# Altium PCB 400236.PcbDoc (part 3 of 4) (continued)
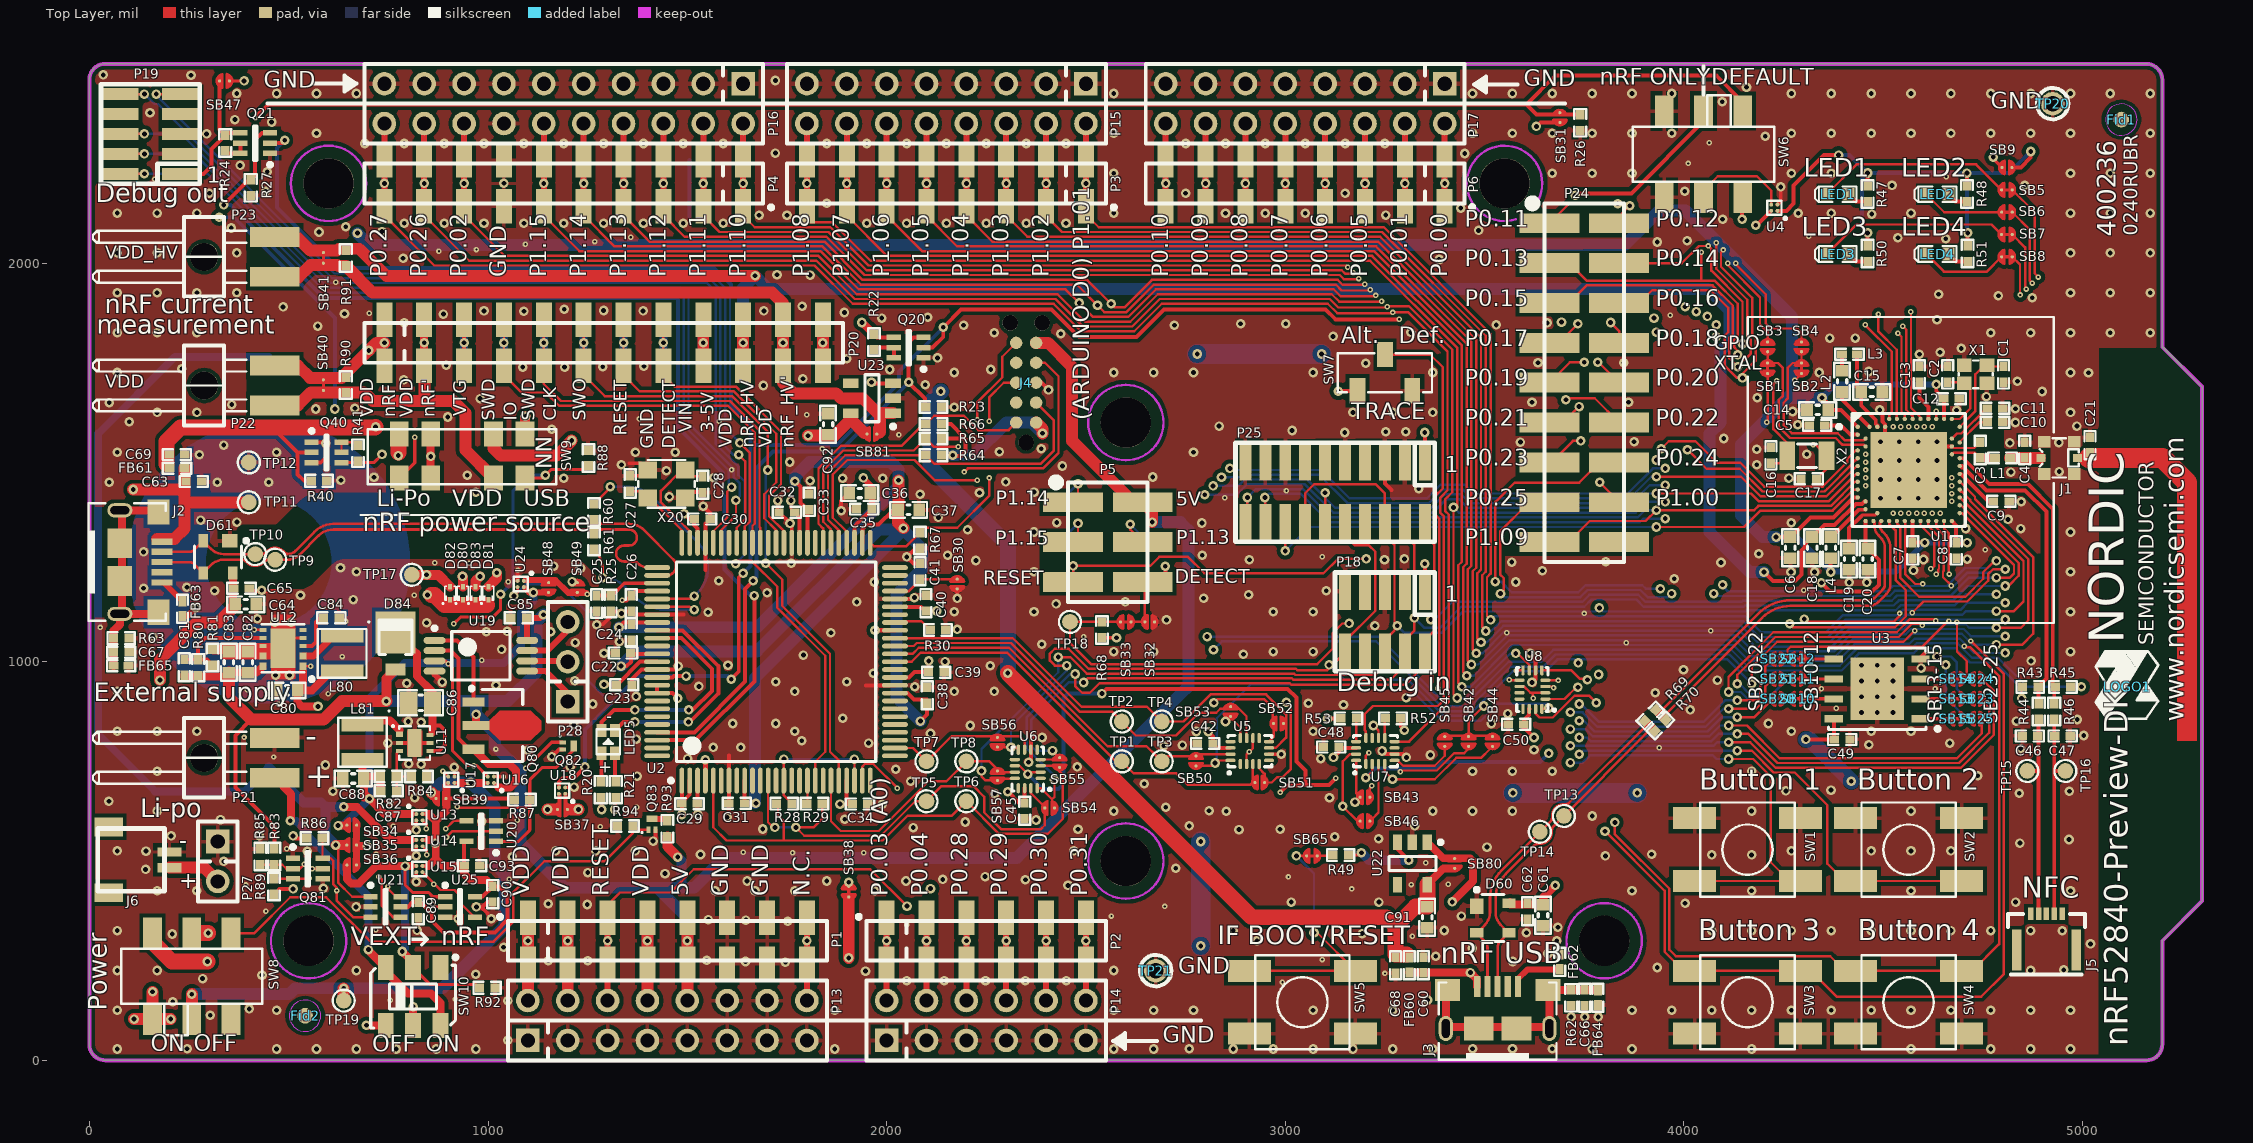
[diagram p0: Top Layer view]
## Nets (pads, with @x,y where several pads share a name; then routed paths per layer and width w, separated by ;. In a path a pad name is that pad's centre, name@x,y a point inside that pad or via, vN(x,y) a via of type N, cw(c..) or ccw(c..) an arc to the next point about the centre after c; other vN are vias at no path point) (continued)
  Mid-Layer 1 w6: v2(4671,1191) 4720,1142 v2(4720,1052)
  Mid-Layer 2 w6: v1(3802,575) 3802,689.06 3830.33,717.39 3830.33,849.75 3887,906.42 3887,1051.57 3917,1081.57 3917,1159 v1(3941,1183)
  Bottom Layer w6: v1(3527,1201) 3541,1201 3568,1174 3735.09,1174 3753.09,1192 3895.61,1192 3904.61,1183 v1(3941,1183)
P0.25: P24.15 SW4.2 U1.AC21 | length 3804
  Top Layer w6: v1(3540,1171) 3548,1179 3548,1209.7 3539,1218.7 3539,1327 3612,1400 P24.15@3662.5,1400 ; v1(3827,597) 3827,566.97 3963.57,430.4 3963.57,277.4 3979.94,261.03 4366.97,261.03 4403.53,224.47 SW4.2@4430.7,224.47 SW4.2@4696.45,224.47 4723.47,224.47 4790.75,291.75 4790.75,964.28 4718.92,1036.11 4705.89,1036.11 v2(4703,1039)
  Mid-Layer 1 w6: v2(4642.74,1372.73) 4642.74,1276 4649.11,1269.63 4649.11,1189.89 4703,1136 v2(4703,1039)
  Mid-Layer 2 w6: v1(3827,597) 3827,697.09 3842.33,712.42 3842.33,844.78 3899,901.45 3899,1046.6 3929,1076.6 3929,1131 v1(3969,1171)
  Bottom Layer w6: v1(3540,1171) 3549,1162 3740.06,1162 3758.06,1180 3890.64,1180 3908.64,1162 3960,1162 v1(3969,1171)
P0.26: P4.9 P10.9 P16.18 U1.G1 U7.8 | length 5848.6
  Top Layer w5.91: 4343,1439 4347.87,1439 4347.92,1439.05 4409.68,1500.81 4409.68,1504.48
  Top Layer w6: P4.9@840,2142.32 840,2119 953,2006 1823.97,2006 1919.97,1910 2423.94,1910 2492.94,1841 2616.23,1841 2685.23,1910 3111.71,1910 3133.04,1888.66 3253.9,1888.66 v2(3255.62,1890.38) 3257.34,1892.1 3309.9,1892.1 3419,1783 3419,1425 3401,1407 3401,1378.3 3410,1369.3 3410,899.03 3310.59,799.62 U7.8@3274.23,799.62 ; v1(3943,1534) 3962,1553 4029,1553 4083,1499 4142,1499 4202,1439 4343,1439 ; 4409.68,1504.48 4409.68,1508.68 4431.21,1530.21 U1.G1@4436.05,1530.21
  Top Layer w15: P4.9@840,2142.32 v1(840,2200) P4.9@840,2257.68 P16.18@840,2350
  Mid-Layer 1 w6: v2(3255.62,1890.38) 3265.24,1900 3887,1900 v1(3925,1862)
  Mid-Layer 2 w6: v1(3925,1862) 3932.75,1862 3964,1830.75 3964,1766.84 3982,1748.84 3982,1596.55 3952,1566.55 3952,1543 v1(3943,1534)
  Bottom Layer w15: P10.9@840,2142.32 v1(840,2200) P10.9@840,2257.68
P0.27: P4.10 P10.10 P16.20 U1.H2 U7.12 | length 6015.6
  Top Layer w6: P4.10@740,2142.32 740,2119 865,1994 1819,1994 1915,1898 2418.97,1898 2487.97,1829 2621.2,1829 2690.2,1898 3106.74,1898 3130.24,1874.49 3268.07,1874.49 v2(3269.79,1876.21) 3308.82,1876.21 3407,1778.03 3407,1429.97 3389,1411.97 3389,1373.33 3398,1364.33 3398,904 3383,889 3220,889 3199.5,868.5 3199.5,828.5 3202.38,825.62 U7.12@3202.38,808.48
  Top Layer w15: P4.10@740,2142.32 v1(740,2200) P4.10@740,2257.68 P16.20@740,2350
  Mid-Layer 1 w6: v2(3269.79,1876.21) 3281.57,1888 3869,1888 3930,1827 v1(3931,1827) ; v1(3931,1506) 3972,1506 3982,1496 4145.28,1496 4202.28,1439 4347.87,1439 4429.24,1520.37 v2@4454.34,1520.37
  Mid-Layer 2 w6: v1(3931,1506) 3931,1516.3 3922,1525.3 3922,1554 3970,1602 3970,1743.87 3952,1761.87 3952,1816 3941,1827 v1(3931,1827)
  Bottom Layer w15: P10.10@740,2142.32 v1(740,2200) P10.10@740,2257.68
  other v2: 4455.73,1520.37
P0.28/AIN4: P2.3 P8.3 P14.6 U1.B11 | length 4126.1
  Top Layer w15: P14.6@2200,150 P2.3@2200,242.32 v1(2200,300) P2.3@2200,357.68
  Mid-Layer 1 w6: v1@4033,1876.3 4044.61,1887.91 4497.17,1887.91 4505,1880.08 4505,1834.56 4509,1830.56 4509,1732 4524.13,1716.87 4524.13,1636.98 4544.31,1616.8 v2(4544.31,1589.27)
  Mid-Layer 2 w6: v1(2200,300) 2245,345 2518.64,345 2531.05,332.59 2723,332.59 2845.4,455 3497,455 3782.33,740.33 3782.33,869.63 3839,926.3 3839,1071.45 3869,1101.45 3869,1192.09 4030,1353.09 4030,1877.3 v1(4031,1878.3)
  Bottom Layer w15: P8.3@2200,242.32 v1(2200,300) P8.3@2200,357.68
P0.29/AIN5: P2.4 P8.4 P14.8 U1.A10 | length 3985.9
  Top Layer w6: v2(4488,1872) 4488,1828.53 4533.82,1782.71 4533.82,1609.61 U1.A10@4534.47,1608.95 ; v2@4491,1872 v2@4491,1873
  Top Layer w15: P14.8@2300,150 P2.4@2300,242.32 v1(2300,300) P2.4@2300,357.68
  Mid-Layer 1 w6: v1(4059,1866.3) 4065.7,1873 v2@4488,1873
  Mid-Layer 2 w6: v1(2300,300) 2333,333 2513.67,333 2526.08,320.59 2727.97,320.59 2850.37,443 3501.97,443 3794.33,735.36 3794.33,864.66 3851,921.33 3851,1066.48 3881,1096.48 3881,1187.12 4042,1348.12 4042,1849.3 v1(4059,1866.3)
  Bottom Layer w15: P8.4@2300,242.32 v1(2300,300) P8.4@2300,380
P0.30/AIN6: P2.5 P8.5 P14.10 U1.B9 | length 3858.4
  Top Layer w15: P14.10@2400,150 P2.5@2400,242.32 v1(2400,300) P2.5@2400,357.68
  Mid-Layer 1 w6: v1(4081,1845.3) 4096.7,1861 4461.59,1861 4497,1825.59 4497,1727.03 4512.13,1711.9 4512.13,1629.87 4524.63,1617.37 v2(4524.63,1589.27) v2@4526.6,1591.24
  Mid-Layer 2 w6: v1(2400,300) 2421,321 2508.7,321 2521.11,308.59 2732.94,308.59 2855.34,431 3510,431 3806.33,727.33 3806.33,859.69 3863,916.36 3863,1061.51 3893,1091.51 3893,1182.15 4054,1343.15 4054,1818.3 v1(4081,1845.3)
  Bottom Layer w15: P8.5@2400,242.32 v1(2400,300) P8.5@2400,380
P0.31/AIN7: P2.6 P8.6 P14.12 U1.A8 | length 3678.3
  Top Layer w6: v2@4457,1845 4457,1842.56 4521.82,1777.74 4521.82,1624.25 4514.79,1617.22 U1.A8@4514.79,1608.95
  Top Layer w15: P14.12@2500,150 P2.6@2500,242.32 v1(2500,300) P2.6@2500,357.68
  Mid-Layer 1 w6: v1(4081,1815.3) 4114.7,1849 4453,1849 v2@4457,1845
  Mid-Layer 2 w6: v1(2500,300) 2503.41,296.59 2737.91,296.59 2860.31,419 3514.97,419 3818.33,722.36 3818.33,854.72 3875,911.39 3875,1056.54 3905,1086.54 3905,1177.18 4066,1338.18 4066,1800.3 v1(4081,1815.3)
  Bottom Layer w15: P8.6@2500,242.32 v1(2500,300) P8.6@2500,357.68
  other v2: 4455,1845
P1.00: P18.6 P24.16 P25.6 P25.14 SB57.1 U1.AD22 U6.12 | length 4302.5
  Top Layer w6: v1(2238,726) 2238,712 2247.65,702.35 2263.62,702.35 2280.65,702.35 SB57.1@2278,699.7 ; 2294.38,706.17 2321.52,706.17 U6.12@2321.52,707.38 ; v1(2430.42,1011.58) 2460.53,1011.58 2502.03,970.08 3021.66,970.08 3025.06,966.68 3225.68,966.68 P18.6@3250,991 ; P25.14@3050,1348.23 3050,1423 3072.53,1445.53 3226.47,1445.53 3250,1422 P25.6@3250,1348.23 3250,1317 3273.96,1293.04 3273.96,1078 3250,1054.04 P18.6@3250,1023.23 P18.6@3250,991 ; P18.6@3238,991 P18.6@3250,991 ; v1(3789,1450) P24.16@3837.5,1401.5 ; U1.AD22@4652.58,1353.05 4652.58,1334.33 4664,1322.91 4664,1221 v2@4665,1220
  Mid-Layer 1 w6: v2(4666,1220) 4755,1220 4763,1212 4763,1190 v1(4784,1169)
  Mid-Layer 2 w6: v1(3788,1135) 3779,1144 3779,1440 v1(3789,1450)
  Bottom Layer w6: v1(2238,726) 2238,780.97 2430.64,973.61 2430.64,1011.36 v1(2430.42,1011.58) ; v1(3280.98,1089.98) 3297.96,1073 3393,1073 3446,1126 3778,1126 v1@3788,1136 ; v1(3788,1135) 3797,1126 4144.03,1126 4155,1126 4158,1129 4531.26,1129 4544.26,1142 4680,1142 4707,1169 v1(4784,1169)
P1.01: P3.1 P9.1 P15.2 U1.Y23 | length 3946.4
  Top Layer w6: P3.1@2500,2142.32 2500,2122 2532,2090 3247.76,2090 3515,1822.76 3515,1221 3506,1212 3506,1114 v1(3515,1105)
  Top Layer w15: P3.1@2500,2142.32 v1(2500,2200) P3.1@2500,2257.68 P15.2@2500,2350
  Mid-Layer 1 w6: v2(4672.27,1402.26) 4681.74,1402.26 4856,1228 4856,1170 4834,1148 v1(4806,1148)
  Bottom Layer w6: v1(3515,1105) 3524,1114 4136.76,1114 4153.73,1114 4193.73,1074 4356.24,1074 4399.24,1117 4536.24,1117 4549.24,1130 4693.82,1130 4711.82,1148 v1(4806,1148)
  Bottom Layer w15: P9.1@2500,2118.4 v1(2500,2200) P9.1@2500,2257.68
P1.02: P3.2 P9.2 P15.4 U1.W24 | length 4063.5
  Top Layer w6: P3.2@2400,2142.32 2400,2118 2440,2078 3242.79,2078 3503,1817.79 3503,1225.97 3494,1216.97 3494,1086 v1(3503,1077) ; U1.W24@4691.95,1412.1 4692.65,1412.1 4706.37,1398.39 4706.37,1398.21 4851.99,1252.58 4851.99,1150.99 4828,1127 v1(4784,1127)
  Top Layer w15: P3.2@2400,2142.32 v1(2400,2200) P3.2@2400,2257.68 P15.4@2400,2350
  Bottom Layer w6: v1(3503,1077) 3516.7,1077 3541.7,1102 4148.76,1102 4188.76,1062 4361.21,1062 4404.21,1105 4541.21,1105 4554.21,1118 4698.79,1118 4707.79,1127 v1(4784,1127)
  Bottom Layer w15: P9.2@2400,2142.32 v1(2400,2200) P9.2@2400,2257.68
P1.03: P3.3 P9.3 P15.6 U1.V23 | length 4259.1
  Top Layer w6: P3.3@2300,2142.32 2300,2119 2353,2066 3237.82,2066 3491,1812.82 3491,1230.94 3482,1221.94 3482,1058 v1(3491,1049)
  Top Layer w15: P3.3@2300,2142.32 v1(2300,2200) P3.3@2300,2257.68 P15.6@2300,2350
  Mid-Layer 1 w6: v2(4672.27,1421.94) 4679.03,1421.94 4868,1232.97 4868,1125 4849,1106 v1(4806,1106)
  Bottom Layer w6: v1(3491,1049) 3506,1049 3547,1090 4143.79,1090 4183.79,1050 4366.18,1050 4409.18,1093 4546.18,1093 4559.18,1106 v1(4806,1106)
  Bottom Layer w15: P9.3@2300,2142.32 v1(2300,2200) P9.3@2300,2257.68
P1.04: P3.4 P9.4 P15.8 U1.U24 | length 4409.4
  Top Layer w6: P3.4@2200,2142.32 2200,2119 2265,2054 3232.85,2054 3462.85,1824 3479,1807.85 3479,1235.91 3470,1226.91 3470,1030 v1(3479,1021) ; U1.U24@4691.95,1431.79 4691.95,1429.41 4694.85,1426.52 4697.92,1426.52 4718.37,1406.07 4718.37,1403.18 4863.99,1257.55 4863.99,1103.99 4845,1085 v1(4784,1085)
  Top Layer w15: P3.4@2200,2142.32 v1(2200,2200) P3.4@2200,2257.68 P15.8@2200,2350
  Bottom Layer w6: v1(3479,1021) 3495,1021 3552,1078 4138.82,1078 4178.82,1038 4371.15,1038 4414.15,1081 4551.15,1081 4558.57,1088.43 4564.15,1094 4706.85,1094 4715.85,1085 v1(4784,1085)
  Bottom Layer w15: P9.4@2200,2142.32 v1(2200,2200) P9.4@2200,2257.68
P1.05: P3.5 P9.5 P15.10 U1.T23 | length 4604.1
  Top Layer w6: P3.5@2100,2142.32 2100,2119 2177,2042 3227.88,2042 3467,1802.88 3467,1240.88 3458,1231.88 3458,1221 3458,1057 3458,1002 v1(3467,993)
  Top Layer w15: P3.5@2100,2142.32 v1(2100,2200) P3.5@2100,2257.68 P15.10@2100,2350
  Mid-Layer 1 w6: v2(4672.27,1441.63) 4676.31,1441.63 4741.97,1375.97 4742.06,1375.97 4836,1282.03 4836,1281.94 4880,1237.94 4880,1088 4856,1064 v1(4806,1064)
  Bottom Layer w6: v1(3467,993) 3483.97,993 3556.97,1066 4133.85,1066 4173.85,1026 4376.12,1026 4419.12,1069 4556.12,1069 4566,1078.88 4569.12,1082 4701.88,1082 4719.88,1064 v1(4806,1064)
  Bottom Layer w15: P9.5@2100,2142.32 v1(2100,2200) P9.5@2100,2257.68
P1.06: P3.6 P9.6 P15.12 U1.R24 | length 4752.8
  Top Layer w6: P3.6@2000,2142.32 2000,2119 2089,2030 3222.91,2030 3455,1797.91 3455,1245.85 3446,1236.85 3446,1225.97 3446,1225 3446,1056 3446,974 v1(3455,965) ; U1.R24@4691.95,1451.47 4692.65,1451.47 4730.37,1413.76 4730.37,1408.15 4875.99,1262.52 4875.99,1069.99 4849,1043 v1(4784,1043)
  Top Layer w15: P3.6@2000,2142.32 v1(2000,2200) P3.6@2000,2257.68 P15.12@2000,2350
  Bottom Layer w6: v1(3455,965) 3472.94,965 3561.94,1054 4128.88,1054 4168.88,1014 4381.09,1014 4424.09,1057 4561.09,1057 4574.09,1070 4696.91,1070 4723.91,1043 v1(4784,1043)
  Bottom Layer w15: P9.6@2000,2142.32 v1(2000,2200) P9.6@2000,2257.68
P1.07: P3.7 P9.7 P15.14 U1.P23 U8.3 | length 5202.2
  Top Layer w6: P3.7@1900,2142.32 1900,2119 2001,2018 3217.94,2018 3443,1792.94 3443,1250.82 3434,1241.82 3434,1230.94 3434,1220.03 3434,946 v1(3443,937) ; U8.3@3652.48,937.87 3669.13,937.87 v2@3673,934
  Top Layer w15: P3.7@1900,2142.32 v1(1900,2200) P3.7@1900,2257.68 P15.14@1900,2350
  Mid-Layer 1 w6: v1(3443,937) 3456,924 3663,924 v2@3673,934 ; v2(4672.27,1461.31) 4675.05,1461.31 4695.94,1440.42 4695.94,1439.06 4849.5,1285.5 4849.5,1285.41 4892,1242.91 4892,1067 4847,1022 v1(4806,1022)
  Bottom Layer w6: v1(3443,937) 3464,937 3569,1042 4123.91,1042 4163.91,1002 4386.06,1002 4429.06,1045 4566.06,1045 4579.06,1058 4691.94,1058 4727.94,1022 v1(4806,1022)
  Bottom Layer w15: P9.7@1900,2142.32 v1(1900,2200) P9.7@1900,2257.68
  other v2: 3673,935
P1.08: P3.8 P9.8 P15.16 U1.P2 U8.7 | length 4331.7
  Top Layer w6: P3.8@1800,2142.32 1800,2108 1806,2102 1863.73,2102 1959.73,2006 3212.97,2006 3431,1787.97 v1@3431,1387 ; v1(3422,1387) 3422,1235.91 3422,1215.06 3422,918 v1(3431,909) ; v1(3578.13,1020.87) 3583.21,1020.87 3612.13,991.95 U8.7@3612.13,978.23
  Top Layer w15: P3.8@1800,2142.32 v1(1800,2200) P3.8@1800,2257.68 P15.16@1800,2350
  Mid-Layer 1 w6: v1(3953,1401) 4189,1401 4191,1403 4362.79,1403 4421.1,1461.31 v2(4455.73,1461.31)
  Bottom Layer w6: v1(3422,1387) 3435,1374 3879.18,1374 3906.18,1401 v1(3953,1401) ; v1(3431,909) 3452.36,909 3464.36,921 3464.97,921 3563.84,1019.87 v1@3578.13,1019.87
  Bottom Layer w15: P9.8@1800,2142.32 v1(1800,2200) P9.8@1800,2257.68
P1.09: P24.17 P25.20 U1.R1 | length 2014
  Top Layer w5.91: 4363,1391 4368.68,1391 4429.16,1451.47 U1.R1@4436.05,1451.47
  Top Layer w6: P25.20@2900,1315 P25.20@2900,1348.23 2905,1353.23 v1(2905,1412) ; P24.17@3662.5,1300 3711,1300 3764,1353 3904,1353 v1(3931,1380) 4176,1380 4187,1391 4363,1391
  Bottom Layer w6: v1@2900,1407 v1(2905,1412) 2926,1433 3044.33,1433 3115.33,1362 3884.15,1362 3902.15,1380 v1(3931,1380)
P1.10: P4.1 P10.1 P16.2 U1.A20 | length 3757.8
  Top Layer w6: P4.1@1640,2142.32 1640,2119 1669,2090 1858.76,2090 1954.76,1994 3152,1994 v2(3156.43,1989.57) ; U1.A20@4632.9,1608.95 v2(4632.9,1628)
  Top Layer w15: P4.1@1640,2142.32 v1(1640,2200) P4.1@1640,2257.68 P16.2@1640,2350
  Mid-Layer 1 w6: v2(3156.43,1989.57) 3158.15,1991.29 3228.1,1991.29 3235.38,1984 4537.82,1984 4609.82,1912 4609.82,1820.05 4569.82,1780.05 4569.82,1756.03 4584.13,1741.72 4584.13,1661.84 4617.97,1628 v2(4632.9,1628)
  Bottom Layer w15: P10.1@1640,2142.32 v1(1640,2200) P10.1@1640,2257.68
P1.11: P4.2 P10.2 P16.4 U1.B19 | length 3856.2
  Top Layer w6: P4.2@1540,2142.32 1540,2119 1581,2078 1853.79,2078 1949.79,1982 3141.53,1982 3149.85,1973.68 3168.88,1973.68 v2(3170.6,1975.4)
  Top Layer w15: P4.2@1540,2142.32 v1(1540,2200) P4.2@1540,2257.68 P16.4@1540,2350
  Mid-Layer 1 w6: v2(3170.6,1975.4) 3172.32,1977.12 3225.3,1977.12 3230.41,1972 4532.85,1972 4597.82,1907.03 4597.82,1825.02 4557.82,1785.02 4557.82,1751.06 4572.13,1736.75 4572.13,1656.87 4623.05,1605.95 v2(4623.05,1589.27)
  Bottom Layer w15: P10.2@1540,2142.32 v1(1540,2200) P10.2@1540,2257.68
P1.12: P4.3 P10.3 P16.6 U1.B17 | length 3938.1
  Top Layer w6: P4.3@1440,2142.32 1440,2119 1493,2066 1848.82,2066 1944.82,1970 3136.56,1970 3147.05,1959.51 3183.05,1959.51 v2(3184.77,1961.23)
  Top Layer w15: P4.3@1440,2142.32 v1(1440,2200) P4.3@1440,2257.68 P16.6@1440,2350
  Mid-Layer 1 w6: v2(3184.77,1961.23) 3186.49,1962.95 3222.49,1962.95 3225.44,1960 4527.88,1960 4585.82,1902.06 4585.82,1829.99 4545.82,1789.99 4545.82,1746.09 4560.13,1731.78 4560.13,1651.9 4603.37,1608.66 v2(4603.37,1589.27)
  Bottom Layer w15: P10.3@1440,2142.32 v1(1440,2200) P10.3@1440,2257.68
P1.13: P4.4 P5.4 P10.4 P11.4 P16.8 U1.A16 | length 4792.5
  Top Layer w6: P4.4@1340,2142.32 1340,2119 1405,2054 1843.85,2054 1939.85,1958 2503,1958 v1(2563,1898) 2572,1889 2596.35,1889 2665.35,1958 3131.59,1958 3144.25,1945.34 3197.22,1945.34 v2(3198.94,1947.06) ; v1(2611,1345) 2611,1331.5 P5.4@2642.5,1300 ; v2(4569,1878) 4569.82,1877.18 4569.82,1637.18 4593.53,1613.47 U1.A16@4593.53,1608.95
  Top Layer w15: P4.4@1340,2142.32 v1(1340,2200) P4.4@1340,2257.68 P16.8@1340,2350
  Mid-Layer 1 w6: v2(3198.94,1947.06) 3200.66,1948.78 3219.69,1948.78 3220.47,1948 4522.91,1948 4570,1900.91 4570,1879 v2(4569,1878)
  Mid-Layer 2 w6: v1(2563,1898) 2562.7,1898 2492.59,1827.89 2492.59,1472.51 2611,1354.11 v1(2611,1345)
  Bottom Layer w6: v1(2611,1345) 2656,1300 P11.4@2666.22,1300
  Bottom Layer w15: P10.4@1340,2142.32 v1(1340,2200) P10.4@1340,2257.68
P1.14: P4.5 P5.1 P10.5 P11.1 P16.10 U1.B15 | length 4768.2
  Top Layer w6: P4.5@1240,2142.32 1240,2119 1317,2042 1838.88,2042 1934.88,1946 2477,1946 v1(2529,1894) 2546,1877 2601.32,1877 2670.32,1946 3126.62,1946 3141.45,1931.17 3211.39,1931.17 v2(3213.11,1932.89) ; P5.1@2467.5,1400 2480,1412.5 v1(2480,1447)
  Top Layer w15: P4.5@1240,2142.32 v1(1240,2200) P4.5@1240,2257.68 P16.10@1240,2350
  Mid-Layer 1 w6: v2(3213.11,1932.89) 3216.22,1936 4517.94,1936 4553,1900.94 4553,1871.53 4567.47,1857.06 4567.47,1828.62 4533.82,1794.96 4533.82,1741.12 4548.13,1726.81 4548.13,1646.93 4583.68,1611.37 v2(4583.68,1589.27)
  Mid-Layer 2 w6: v1(2480,1447) 2480.59,1447.59 2480.59,1845.59 v1(2529,1894)
  Bottom Layer w6: P11.1@2420.18,1400 P11.1@2443.78,1400 2443.78,1410.78 v1(2480,1447)
  Bottom Layer w15: P10.5@1240,2142.32 v1(1240,2200) P10.5@1240,2257.68
P1.15: P4.6 P5.3 P10.6 P11.3 P16.12 U1.A14 | length 4889.1
  Top Layer w6: P4.6@1140,2142.32 1140,2119 1229,2030 1833.91,2030 1929.91,1934 2449,1934 v1(2483,1900) 2518,1865 2606.29,1865 2675.29,1934 3121.65,1934 3138.65,1917 3225.56,1917 v2(3227.28,1918.72) ; P5.3@2467.5,1300 2480,1312.5 v1(2480,1347) ; v2(4549,1842) 4557.82,1833.18 4557.82,1632.18 4573.84,1616.16 U1.A14@4573.84,1608.95
  Top Layer w15: P4.6@1140,2142.32 v1(1140,2200) P4.6@1140,2257.68 P16.12@1140,2350
  Mid-Layer 1 w6: v2(3227.28,1918.72) 3232.56,1924 4512.97,1924 4541,1895.97 4541,1850.86 4549,1842.86 v2(4549,1842)
  Mid-Layer 2 w6: v1(2480,1347) 2480,1417.3 2459,1438.3 2459,1459.41 2468.59,1469 2468.59,1885.59 v1(2483,1900)
  Bottom Layer w6: P11.3@2443.78,1300 2443.78,1310.78 v1(2480,1347)
  Bottom Layer w15: P10.6@1140,2142.32 v1(1140,2200) P10.6@1140,2257.68
PB5: Q20.3 R23.2 U2.97 | length 1515.5
  Top Layer w10: U2.97@1424.38,822.83 1517.83,822.83 1645,950 1645,1183 v1(1665,1203) ; Q20.3@2092.73,1813.59 2067.92,1813.59 2055.33,1801 v1(2055.33,1701) 2096,1660.33 2096,1639 R23.2@2098.31,1639
  Bottom Layer w10: v1(1665,1203) 1674,1212 1674,1486 1715,1527 1881.33,1527 v1(2055.33,1701)
PB6: Q21.3 R27.2 U2.98 | length 2831.1
  Top Layer w10: v1(337,2146) 399.68,2208.68 R27.2@405,2208.68 416,2219.68 416,2310 432.59,2326.59 Q21.3@453.4,2326.59 ; U2.98@1424.38,803.15 1520.78,803.15 1668,950.37 v1(1668,1166)
  Bottom Layer w10: v1(337,2146) 354.61,2146 588.61,1912 1472.2,1912 1477,1907.2 1477,1587 1590,1474 1590,1452.47 1588,1450.47 1588,1419 1593,1414 1593,1231 1658,1166 v1(1668,1166)
QSPI_C\S\: SB15.2 U3.1 | length 77.6
  Top Layer w8: U3.1@4594.05,857 SB15.2@4671.7,857
QSPI_CLK: SB11.2 U3.6 | length 77.6
  Top Layer w8: SB11.2@4298.3,957 U3.6@4375.94,957
QSPI_DIO0: SB12.2 U3.5 | length 77.6
  Top Layer w8: SB12.2@4298.3,1007 U3.5@4375.94,1007
QSPI_DIO1: SB13.2 U3.2 | length 77.6
  Top Layer w8: U3.2@4594.05,907 SB13.2@4671.7,907
QSPI_DIO2: SB14.2 U3.3 | length 77.6
  Top Layer w8: U3.3@4594.05,957 SB14.2@4671.7,957
QSPI_DIO3: SB10.2 U3.7 | length 77.6
  Top Layer w8: SB10.2@4298.3,907 U3.7@4375.94,907
RESET_PIN: P1.3 P5.5 P7.3 P11.5 P13.6 SB43.2 SB44.1 U7.4 | length 4528.4
  Top Layer w6: P1.3@1300,357.68 1300,390 1331,421 1457.6,421 1516,479.4 1958.6,479.4 v1(2051,387) ; P5.5@2467.68,1200.18 v1(2467.68,1240.4) 2661.4,1240.4 2684,1263 2756,1263 2797,1222 3096,1222 3132,1258 v1(3203,1258) ; SB43.2@3212.3,660 3212.3,673.9 3212.3,683.3 v2@3218,689 ; U7.4@3249.62,743.52 3249.62,724.38 v1(3269,705) 3374.94,705 3428.79,758.85 3491.15,758.85 3514.14,781.84 SB44.1@3520,787.7 ; SB44.1@3518.35,789.35 3522,793
  Top Layer w15: P13.6@1300,150 P1.3@1300,242.32 v1(1300,300) P1.3@1300,357.68
  Mid-Layer 1 w6: v2@3218,689 3234,705 v1(3269,705)
  Mid-Layer 2 w6: v1(2051,387) 2057,381 2533.55,381 2545.96,368.59 2708.08,368.59 2830.49,491 3257,491 3269,503 v1(3269,705) 3269,850.7 3259.98,859.72 3259.98,1201.02 v1(3203,1258)
  Bottom Layer w6: P11.5@2467.68,1200 v1(2467.68,1240.4)
  Bottom Layer w15: P7.3@1300,242.32 v1(1300,300) P7.3@1300,357.68
  other v2: 3217,689
RF: C4.2 J1.1 L1.2 | length 74.8
  Top Layer w30: L1.2@4818.21,1511.46 J1.1@4893,1511.46
SH_GND_DETECT: P20.8 P26.8 U2.62 | length 915.1
  Top Layer w6: P20.8@1440,1857.68 P20.8@1440,1742.32 1440,1718 1467.79,1690.21 1621.79,1690.21 1735,1577 1735,1445.32 1705,1415.32 1705,1365 1742.29,1327.71 U2.62@1742.29,1298.23
  Bottom Layer w20: P26.8@1440,1742.32 v1(1440,1800) P26.8@1440,1857.68
SH_RESET: P20.7 P26.7 U2.63 | length 996.4
  Top Layer w6: P20.7@1340,1857.68 P20.7@1340,1742.32 1340,1719 1380.79,1678.21 1616.82,1678.21 1723,1572.03 1723,1450.29 1693,1420.29 1693,1360.03 1722.61,1330.42 U2.63@1722.61,1298.23
  Bottom Layer w20: P26.7@1340,1742.32 v1(1340,1800) P26.7@1340,1857.68
SH_SWDCLK: P20.5 P26.5 U2.65 | length 1148.1
  Top Layer w6: P20.5@1140,1857.68 1140,1697 1183,1654 1606.85,1654 1681,1579.85 1681,1338.09 1683.24,1335.85 U2.65@1683.24,1298.23
  Bottom Layer w20: P26.5@1140,1742.32 v1(1140,1800) P26.5@1140,1857.68
SH_SWDIO: P20.4 P26.4 U2.66 | length 1217.8
  Top Layer w6: P20.4@1040,1742.32 1040,1719.28 1083.84,1675.44 1144.56,1675.44 1178,1642 1601.88,1642 1669,1574.88 1669,1346.45 1663.55,1341 U2.66@1663.55,1298.23 ; P20.4@1040,1746 P20.4@1040,1857.68
  Bottom Layer w20: P26.4@1040,1742.32 v1(1040,1800) P26.4@1040,1857.68
SH_SWO: P20.6 P26.6 U2.21 | length 1727.4
  Top Layer w6: P20.6@1240,1857.68 v1(1240,1800) P20.6@1240,1742.32 1240,1719 1292.79,1666.21 1611.85,1666.21 1702,1576.06 v1(1702,1481) ; v1(1697,1247) 1738,1206 1738,1139.97 1858,1019.97 1858,774 1880.09,751.91 U2.21@1880.09,701.77
  Bottom Layer w6: v1(1697,1247) 1697,1476 v1(1702,1481)
  Bottom Layer w20: P26.6@1240,1742.32 v1(1240,1800) P26.6@1240,1857.68
SH_VTG: P20.3 P26.3 Q20.4 R22.1 | length 1460.6
  Top Layer w6: P20.3@940,1742.32 P20.3@940,1857.68
  Top Layer w10: P20.3@940,1742.32 v1(940,1800) P20.3@940,1857.68 ; R22.1@1968.33,1821.68 1976.42,1813.59 Q20.4@2017.93,1813.59
  Top Layer w20: v1(1938,1851) 1939.01,1851 R22.1@1968.33,1821.68
  Mid-Layer 2 w20: v1(940,1800) 981,1841 1928,1841 v1(1938,1851)
  Bottom Layer w20: P26.3@940,1742.32 v1(940,1800) P26.3@940,1857.68
SHIELD_DETECT: R68.1 SB33.2 TP18.1 U7.10 | length 1307.4
  Top Layer w6: SB33.2@2586.7,1100 2540.32,1100 R68.1@2540,1099.68 2539.68,1100 TP18.1@2460,1100 2460,1047 2512.92,994.08 3080.08,994.08 3119,1033 3119,1072 3143,1096 v1(3160,1096) ; v1(3221,840) 3233.87,827.13 U7.10@3233.87,808.48
  Mid-Layer 2 w6: v1(3160,1096) 3247.98,1008.02 3247.98,866.98 v1(3221,840)
SWDCLK: P18.4 P25.4 SB55.1 U1.AA24 U6.4 | length 3381.6
  Top Layer w6: U6.4@2386.48,754.62 2417.54,754.62 ; v1(2416,777) 2416.3,777 2428.14,765.16 SB55.1@2434,759.3 ; v1(2494.06,947.94) 2504.2,958.08 3016.69,958.08 3020.09,954.68 3263.68,954.68 3300,991 P18.4@3300,1023.23 3300,1054.04 3323.96,1078 v1(3323.96,1110) 3323.96,1293.04 3300,1317 P25.4@3300,1348.23 ; U1.AA24@4691.95,1392.42 4695.19,1392.42 4839.99,1247.61 4839.99,1215.99 v1@4814,1190
  Bottom Layer w6: v1(2416,777) 2373.97,777 2363,787.97 2363,855.06 2456.09,948.15 2493.85,948.15 v1(2494.06,947.94) ; v1(3323.96,1110) 3348.96,1085 3388.03,1085 3441.03,1138 3750,1138 3768,1156 3880.7,1156 3898.7,1138 4150.02,1138 4153.02,1141 4526.29,1141 4539.29,1154 4675.03,1154 4711.03,1190 v1(4806,1190)
SWDIO: P18.2 P25.2 SB54.1 U1.AC24 U6.16 | length 3526.9
  Top Layer w6: U6.16@2377.62,682.77 2386.92,682.77 2414.83,654.86 ; v1(2421,704) 2421,661.03 2414.87,654.9 ; SB54.1@2421.3,633 2414.83,639.47 2414.83,654.86 ; v1(2472.85,969.15) 2472.85,939.45 2490.3,922 2510,922 2534.08,946.08 3011.72,946.08 3015.31,942.49 3058.34,942.49 3058.53,942.68 3301.68,942.68 3350,991 P18.2@3350,1023.23 3350,1054.04 3373.96,1078 3373.96,1293.04 3350,1317 P25.2@3350,1348.23 ; U1.AC24@4691.95,1372.73 4697.9,1372.73 4827.99,1242.64 4827.99,1220.96 4818.03,1211 v1(4784,1211)
  Bottom Layer w6: v1(2421,704) 2421,713 2351,783 2351,860.03 2460.12,969.15 v1(2472.85,969.15) ; v1@3375,1106 3419,1150 3745.03,1150 3763.03,1168 3885.67,1168 3903.67,1150 4145.05,1150 4148.05,1153 4521.32,1153 4534.32,1166 4670.06,1166 4715.06,1211 v1(4784,1211)
  other v1: 3365,1106
TCKOUT: R28.1 U2.14 U2.23 | length 351.4
  Top Layer w6: v1(1742.29,755.77) 1742.29,664.39 R28.1@1762.69,644 ; v1(1919.29,755.77) 1919.29,702.24 1919.61,701.92 U2.23@1919.46,701.77
  Bottom Layer w6: v1(1742.29,755.77) v1(1919.29,755.77)
TMSOUT: R29.1 U2.17 | length 56.7
  Top Layer w6: R29.1@1801.35,645.08 U2.17@1801.35,701.77
TRACE_SW: SW7.2 U8.2 U8.10 | length 1333
  Top Layer w6: SW7.2@3250,1770.28 3363.72,1770.28 3395,1739 3395,1434.94 3377,1416.94 3377,1368.36 3386,1359.36 3386,938 v2(3382,934) ; U8.10@3587.52,937.87 3599.13,937.87 3614.87,922.13 3621,922.13 ; v2@3621,910 3621,922.13 ; U8.2@3652.48,922.13 3621,922.13
  Mid-Layer 1 w6: v2(3382,934) 3382,928.3 3422.3,888 3457,888 3481,912 3619,912 v2@3622,909
  other v2: 3622,908
USB_DETECT: Q40.3 R26.1 SB31.2 SW6.3 | length 5062.2
  Top Layer w10: v2(416,2365) 449,2398 3605,2398 ; Q40.3@557.6,1499.41 580.41,1499.41 v2(595,1514) ; R26.1@3740,2371.68 3739.45,2372.23 3705.59,2372.23 3672.41,2372.23 3630.77,2372.23 3605,2398 ; SW6.3@4147.43,2381.27 4147.43,2404.57 4082,2470 3677,2470 3605,2398
  Mid-Layer 1 w10: v1(326,2115) 341,2115 416,2190 v2(416,2365) ; v2(595,1514) 616,1535 v1(616,1634)
  Bottom Layer w10: v1(326,2115) 362.98,2115 616,1861.98 v1(616,1634)
V5V: C81.2 C82.2 C83.2 C85.2 D84.1 J4.5 P1.5 P5.2 P7.5 P11.2 P13.10 Q80.2 R80.2 R83.1 R93.1 U12.10 U19.8 | length 5906.6
  Top Layer w10: 406,855 366,815 366,685 464,587 464,530.81 R83.1@463.87,530.68
  Top Layer w15: C85.2@1096.69,1110 1131,1110 v1(1139,1118) ; U19.8@1098.14,1053.39 C85.2@1098.14,1108.54
  Top Layer w20: C81.2@238,966.31 238,963.5 C83.2@341.08,963.5 ; C83.2@350,972.43 C82.2@397,972.43 419.7,972.43 U12.10@434.64,987.36 ; Q80.2@970.04,840 v1(970.04,867.96)
  Top Layer w25: v1(745,901) 745,958.04 D84.1@768,981.04 ; R93.1@1450,561.31 1450,536 v1(1476,510)
  Top Layer w30: C83.2@350,972.43 350,911 406,855 587.83,855 633.83,901 v1(745,901) ; P13.10@1500,150 P1.5@1500,242.32 v1(1500,300) P1.5@1500,357.68 ; J4.5@2375,1800 2405,1800 2465,1740 2465,1554 2619,1400 P5.2@2642.5,1400 2666.22,1376.28 v1(2666.22,1350.22)
  Bottom Layer w20: 860.53,903.47 863,901 ; 970.04,898.04 973,901
  Bottom Layer w25: v1(1476,510) 1485,501 1485,433
  Bottom Layer w30: v1(745,901) 863,901 973,901 1049,901 1122,974 1122,1101 v1(1139,1118) ; 970.04,898.04 v1(970.04,867.96) 1018,820 1018,788 1081.5,724.5 1081.5,544.5 1193,433 1424.68,433 ; P7.5@1500,242.32 v1(1500,300) P7.5@1500,357.68 1424.68,433 ; P11.2@2666.22,1400 v1(2666.22,1350.22) 2736.78,1350.22 2757,1330 2757,939.67 2752,934.67 2752,933.33 2326.67,508 1592,508 1517,433 1485,433 1424.68,433
VBAT: Bat1.1 SB35.2 U14.A1 U21.1 | length 2538.5
  Top Layer w6: v1(618,540) 624.12,533.88 624.12,446.12 659.64,410.59 U21.1@705.6,410.59
  Top Layer w9.65: 807,552.87 U14.A1@820.13,552.87
  Top Layer w20: v1(638,636) 671,636 754.53,552.47 806.6,552.47
  Top Layer w25: v1(618,540) 638.53,540
  Bottom Layer w20: Bat1.1@450,734.4 390.6,675 165,675 22,818 22,1572 214.4,1764.4 Bat1.1@450,1764.4
  Bottom Layer w25: Bat1.1@450,734.4 537.4,647 581,647 592,636 ; v1(618,540) 592,566 592,636 ; v1(638,636) 592,636